# Altium PCB WiPy_Eval.PcbDoc (part 1 of 2)
Units mm, origin at the board's own origin, x right, y up, seen from the top; angles counter-clockwise.
Board outline 75 x 90 mm, 2 copper layers (Top Layer, Bottom Layer), stack 1.621 mm thick; 158 components, 120 nets, 580 pads, 606 vias.
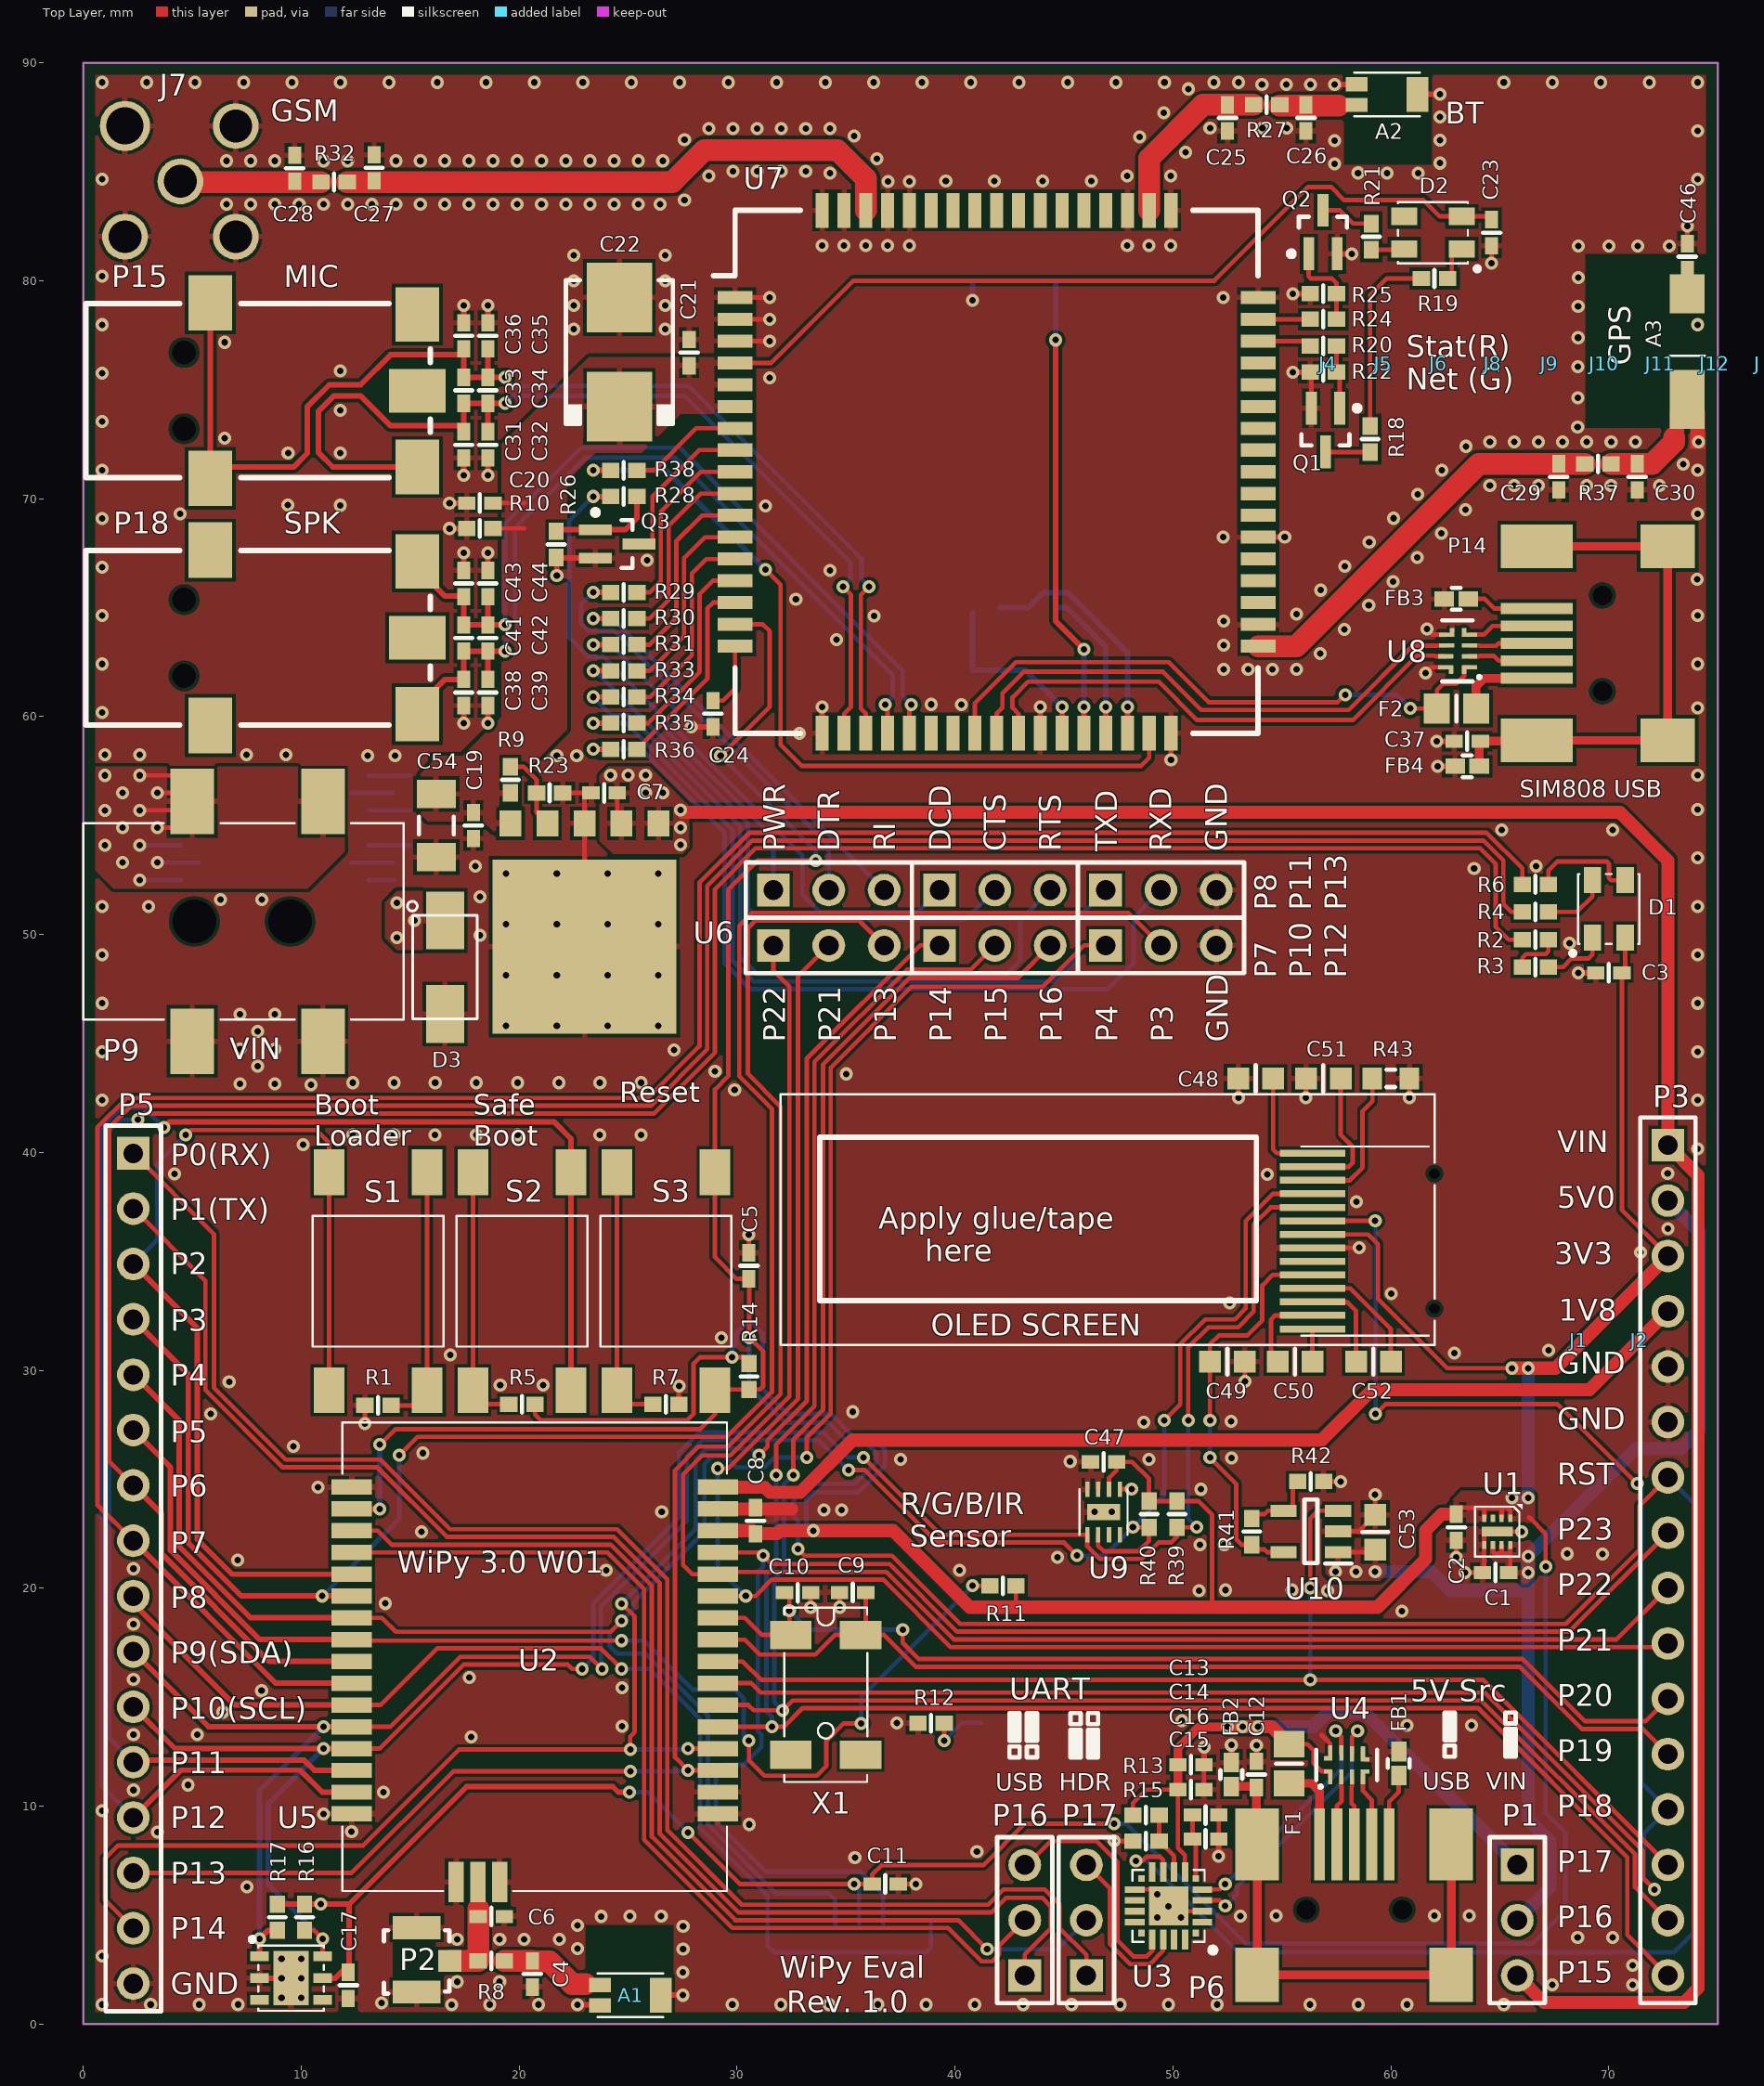
[diagram p0: Top Layer view]
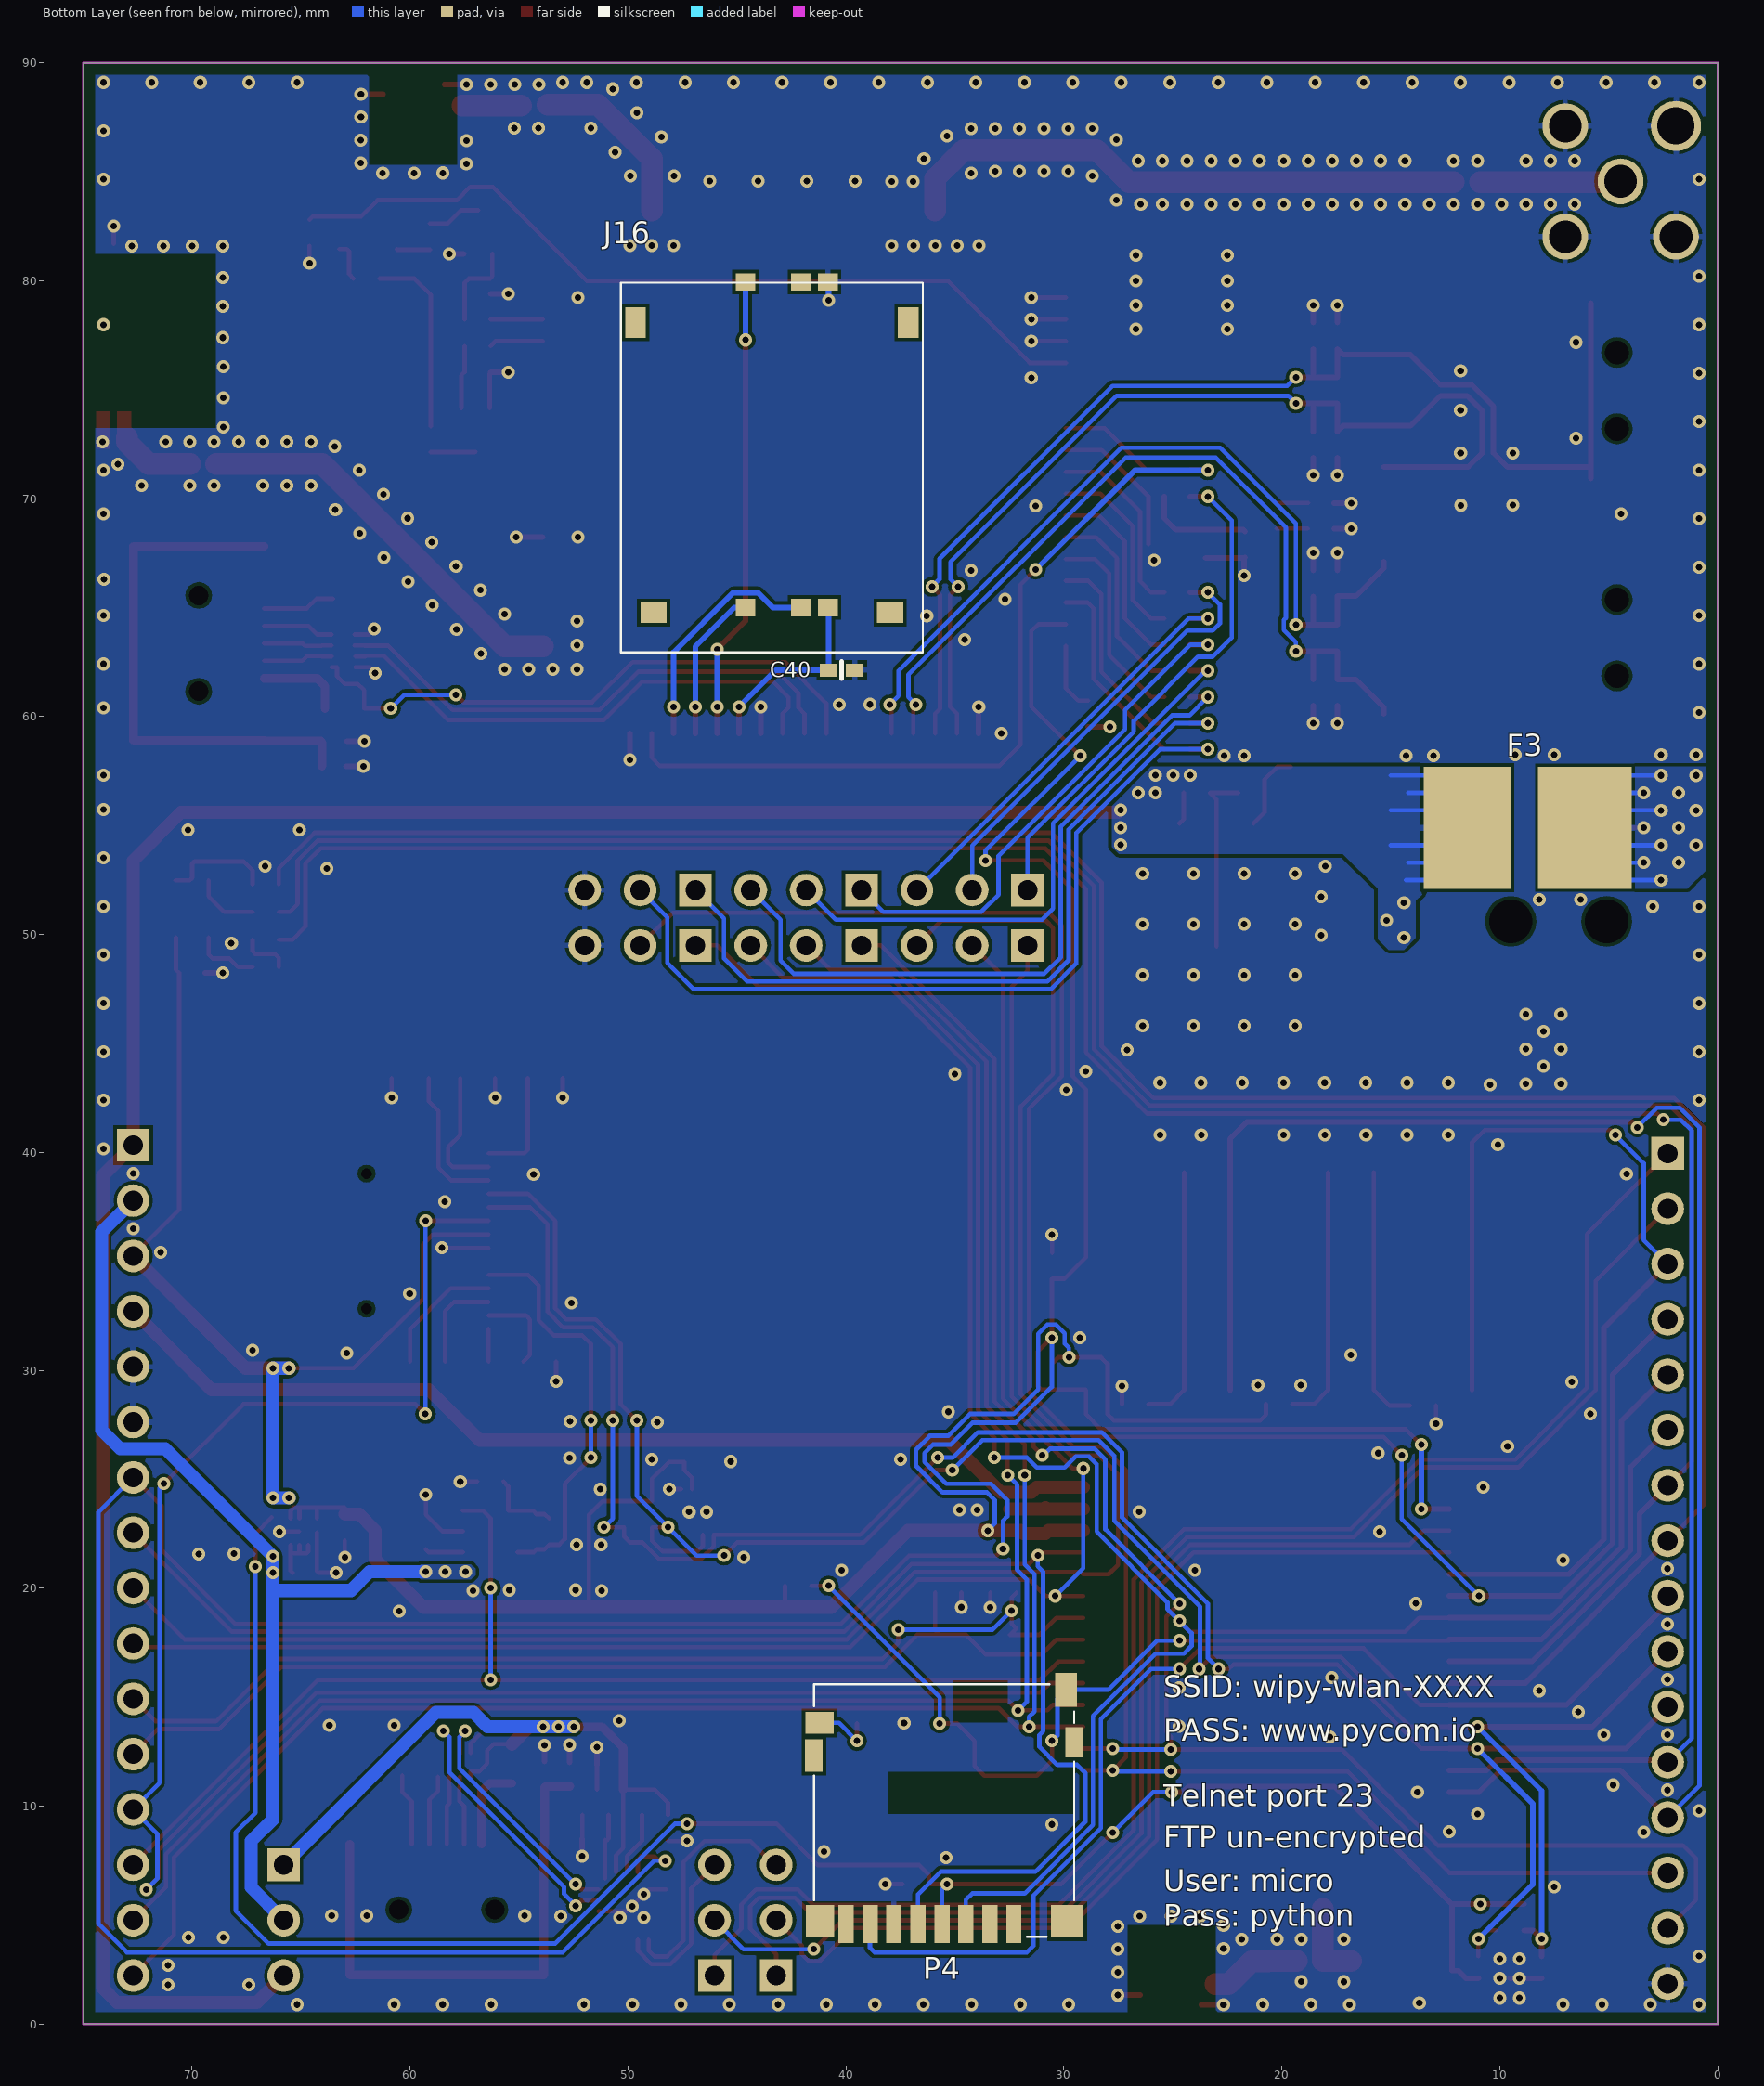
[diagram p1: Bottom Layer view, seen from below]

## Layer stack, top to bottom
Top Solder: solder mask 0.0102, Solder Resist, Dk 3.5
Top Layer: signal copper 0.0356
Dielectric 1: dielectric 1.55, FR-4, Dk 4.8
Bottom Layer: signal copper 0.0356
Bottom Solder: solder mask 0.0102, Solder Resist, Dk 3.5

## Board outline
0,0 0,90 75,90 75,0

## Design rules (kind name [scope] priority, off if disabled: settings)
BoardOutlineClearance [All] p1: gap=0.5 ignorepadtopadclearanceinfootprint=FALSE
Clearance Clearance_Keepout [OnLayer('Keep-Out Layer')] p1: gap=0.5 ignorepadtopadclearanceinfootprint=FALSE
Clearance [All] p2: gap=0.152 ignorepadtopadclearanceinfootprint=FALSE
ComponentClearance ComponentClearance_J3 [InComponent('J3')] p1: gap=0 collisioncheckmode=3 verticalgap=0 showdistances=FALSE
ComponentClearance ComponentClearance_J2 [InComponent('J2')] p2: gap=0 collisioncheckmode=3 verticalgap=0 showdistances=FALSE
ComponentClearance ComponentClearance_J1 [InComponent('J1')] p3: gap=0 collisioncheckmode=3 verticalgap=0 showdistances=FALSE
ComponentClearance [All] p4: gap=0.254 collisioncheckmode=3 verticalgap=0.254 showdistances=FALSE
DiffPairsRouting [All] p1: maxlimit=0.254 minlimit=0.254 mostfreqgap=0.254 toplayer_minwidth=0.2 toplayer_maxwidth=0.5 toplayer_prefwidth=0.254 bottomlayer_minwidth=0.2 bottomlayer_maxwidth=0.5 bottomlayer_prefwidth=0.254 maxuncoupledlength=12.7
HoleSize [All] p1: absolutevalues=TRUE maxlimit=3 minlimit=0.25 maxpercent=80.000 minpercent=20.000
MinimumSolderMaskSliver [All] p1: minsoldermaskwidth=0.2
PlaneConnect [All] p1: pad.planeconnectstyle=Relief pad.reliefexpansion=0.508 pad.reliefentries=4 pad.reliefconductorwidth=0.254 pad.reliefairgap=0.254 via.planeconnectstyle=Direct via.reliefexpansion=0.508 via.reliefentries=4 via.reliefconductorwidth=0.254 via.reliefairgap=0.254
PolygonConnect [All] p1: thpad.connectstyle=Relief thpad.reliefconductorwidth=0.254 thpad.reliefentries=4 thpad.polygonreliefangle="90 Angle" thpad.airgapwidth=0.152 smdpad.connectstyle=Relief smdpad.reliefconductorwidth=0.254 smdpad.reliefentries=4 smdpad.polygonreliefangle="90 Angle" smdpad.airgapwidth=0.152 via.connectstyle=Direct via.reliefconductorwidth=0.254 via.reliefentries=4 via.polygonreliefangle="90 Angle" via.airgapwidth=0.254
RoutingVias [All] p1: holewidth=0.3 width=0.6 viastyle="Through Hole" minholewidth=0.25 minwidth=0.55 maxholewidth=0.7 maxwidth=1
SilkToSilkClearance [All] p1: silktosilkclearance=0.2
SilkToSolderMaskClearance [IsPad] p1: minsilkscreentomaskgap=0.2 clearancetoexposedcopper=TRUE
SolderMaskExpansion [All] p1: expansion=0.102
Width [All] p1: maxlimit=1 minlimit=0.152 preferedwidth=0.4
23 further rules are at their usual default settings.

## Classes and differential pairs
component class USB: C12 C13 C14 C15 F1 FB1 FB2 J2 J3 P6 R13 R14 R15 U3 U4
component class main: A1 C1 C2 C3 C4 C5 C6 C8 C9 C10 C11 C17 C47 D1 J1 P1 P2 P3 P4 P5 R1 R2 R3 R4 R5 R6 R7 R8 R11 R12 R16 R17 S1 S2 S3 U1 U2 U5 U9 X1
component class GSM: C7 C19 C20 C21 C23 C24 C25 C26 C27 C28 C29 C30 C31 C32 C33 C34 C35 C36 C37 C38 C39 C40 C41 C42 C43 C44 C46 C54 D3 F2 FB3 FB4 J4 J5 J6 J7 J8 J9 J10 J11 J12 J13 J16 P9 P10 P11 P12 P13 P14 Q1 Q2 Q3 R9 R10 R18 R19 R20 R21 R22 R23 R24 R25 R26 R27 R28 R29 R30 R31 R32 R33 R34 R35 R36 R37 U6 U7 U8
component class Display: C48 C49 C50 C51 C52 C53 "OLED SCREEN" R39 R40 R41 R42 R43 U10
differential pair USB_SIM: +USB_SIM_P -USB_SIM_N
differential pair USB_SIM2: +USB_SIM2_P -USB_SIM2_N
differential pair USB_EXT: +USB_EXT_P -USB_EXT_N
differential pair USB_D: +USB_D_P -USB_D_N
differential pair SPK: +SPK_P -SPK_N
differential pair MIC: +MIC_P -MIC_N

## Components (designator, comment, footprint, x,y, rotation, side; value= is the part's Value field where it differs from the comment)
A1 "ANT_W3008" W3008 25.107,1.328 r0 top
A2 "ANT_W3008" W3008 59.82,88.54 r0 top
A3 "GPS Antenna" ANT3216_v2 73.6,74.55 r90 top
C1 "Capacitor" CAPC1005N 64.8,20.72 r0 top value=2.2u
C2 "Capacitor" CAPC1005N 63,22.8 r90 top value=2.2u
C3 "100n" CAPC1005N 70,48.24 r0 top
C4 "Capacitor" CAPC1005N 20.61,2.303 r270 top value=DNP
C5 "100p" CAPC1005N 30.546,34.798 r270 top
C6 "Capacitor" CAPC1005N 18.722,4.945 r180 top value=DNP
C7 "Capacitor" CAPC1005N 23.9,56.5 r0 top value=2.2u
C8 "100n" CAPC1005N 30.845,23.1 r270 top
C9 "10p" CAPC1005N 35.306,19.812 r0 top
C10 "10p" CAPC1005N 32.78,19.8 r180 top
C11 "100n" CAPC1005N 36.8,6.431 r180 top
C12 "100n" CAPC1005N 53.83,11.458 r270 top
C13 "Capacitor" CAPC1005N 50.826,11.906 r180 top value=2.2u
C14 "100n" CAPC1005N 50.826,10.763 r180 top
C15 "Capacitor" CAPC1005N 51.5,8.5 r180 top value=2.2u
C16 "100n" CAPC1005N 51.5,9.6 r180 top
C17 "100n" CAPC1005N 12.16,1.78 r90 top
C19 "100n" CAPC1005N 17.9,55 r90 top
C20 "Capacitor" CAPC1005N 18.2,69.8 r0 top value=2.2u
C21 "100n" CAPC1005N 27.8,76.7 r270 top
C22 "Low ESR" CAP_TANT 24.6,73.43 r0 top value=330uF
C23 "100n" CAPC1005N 64.62,82.2 r90 top
C24 "Capacitor" CAPC1005N 28.891,60.132 r90 top value=2.2u
C25 "DNP" CAPC1005N 52.5,87.47 r90 top
C26 "DNP" CAPC1005N 56.1,87.47 r90 top
C27 "DNP" CAPC1005N 13.35,85.18 r270 top
C28 "DNP" CAPC1005N 9.7,85.16 r270 top
C29 "DNP" CAPC1005N 67.7,71 r90 top
C30 "DNP" CAPC1005N 71.3,71 r90 top
C31 "10p" CAPC1005N 17.46,72.47 r270 top
C32 "33p" CAPC1005N 18.56,72.47 r270 top
C33 "10p" CAPC1005N 18.56,74.97 r270 top
C34 "33p" CAPC1005N 17.46,74.97 r270 top
C35 "10p" CAPC1005N 18.56,77.47 r270 top
C36 "33p" CAPC1005N 17.46,77.47 r270 top
C37 "100n" CAPC1005N 63.5,58.87 r0 top
C38 "10p" CAPC1005N 17.46,61.105 r270 top
C39 "33p" CAPC1005N 18.56,61.105 r270 top
C40 "100n" CAPC1005N 40.2,62.13 r0 bottom
C41 "10p" CAPC1005N 17.46,63.605 r270 top
C42 "33p" CAPC1005N 18.56,63.605 r270 top
C43 "10p" CAPC1005N 17.46,66.105 r270 top
C44 "33p" CAPC1005N 18.56,66.105 r270 top
C46 "DNP" CAPC1005N 73.6,81.1 r270 top
C47 "100n" CAPC1005N 46.82,25.8 r0 top
C48 "Capacitor" CAPC1608N 53.8,43.4 r0 top value=1u
C49 "Capacitor" CAPC1608N 52.5,30.4 r180 top value=1u
C50 "Capacitor" CAPC1608N 55.6,30.4 r0 top value=1u
C51 "Capacitor" CAPC1608N 56.9,43.4 r0 top value=1u
C52 "Capacitor" CAPC1608N 59.2,30.4 r180 top value=1u
C53 "Capacitor" CAPC1608N 59.28,22.58 r270 top value=1u
C54 "47u" CAPC3216N 16.2,55 r90 top
D1 "RGB LED" PLCC-4 69.996,51.171 r0 top
D2 "RGB LED" PLCC-4 61.93,82.2 r90 top
D3 "SS14" DO214 16.6,48.5 r90 top
F1 "PTC Fuse" RESC2012N 55.33,11.948 r270 top
F2 "PTC Fuse" RESC2012N 63.01,60.37 r0 top
F3 "Fuse" 2920 8.8,54.9 r0 bottom
FB1 "120@100MHz" INDC1005N 60.36,11.958 r90 top
FB2 "120@100MHz" INDC1005N 52.68,11.458 r90 top
FB3 "120@100MHz" INDC1005N 63,65.4 r180 top
FB4 "120@100MHz" INDC1005N 63.5,57.72 r180 top
J1 "Jumper" JUMPER-B 68.6,31.37 r270 top
J2 "Jumper" JUMPER-B 71.4,31.37 r90 top
J3 "Jumper" JUMPER-B 91.2,31.37 r90 top
J4 "Jumper" JUMPER-B 57.11,76.2 r90 top
J5 "Jumper" JUMPER-B 59.64,76.2 r90 top
J6 "Jumper" JUMPER-B 62.18,76.2 r90 top
J7 "GSM Antenna" "5.08 SMA" 4.46,84.56 r90 top
J8 "Jumper" JUMPER-B 64.68,76.2 r90 top
J9 "Jumper" JUMPER-B 67.26,76.2 r90 top
J10 "Jumper" JUMPER-B 69.79,76.2 r90 top
J11 "Jumper" JUMPER-B 72.36,76.2 r90 top
J12 "Jumper" JUMPER-B 74.86,76.2 r90 top
J13 "Jumper" JUMPER-B 77.36,76.2 r90 top
J16 "micro-SIM Tray" 78000-0001 43.4,71.43 r90 bottom
"OLED SCREEN" "OLED" REX012832FSPP3N00000 56.4,31.9 r0 top (schematic designator SCR1)
P1 "Header 1x3" "Header 1x3, Male, 2.54mm, Straight, THT" 65.8,4.77 r270 top
P2 "U.FL-R-SMT-1(10)" U.FL-R-SMT-1(10) 15.297,2.903 r90 top
P3 "Header 16" HDR1X16 72.71,40.33 r270 top
P4 "micro SD" 1140084168 35.5,13.825 r180 bottom locked
P5 "Header 16" HDR1X16 2.3,39.96 r270 top
P6 "USB_mini" MUSB-B5-S-RA-TSMT-CS1 58.32,0.008 r90 top
P7 "Header 1x3" "Header 1x3, Male, 2.54mm, Straight, THT" 34.21,49.5 r0 top
P8 "Header 1x3" "Header 1x3, Male, 2.54mm, Straight, THT" 34.21,52.04 r0 top
P9 "FC68148S" FC68148S 0,50.6 r270 top
P10 "Header 1x3" "Header 1x3, Male, 2.54mm, Straight, THT" 41.83,49.5 r0 top
P11 "Header 1x3" "Header 1x3, Male, 2.54mm, Straight, THT" 41.83,52.04 r0 top
P12 "Header 1x3" "Header 1x3, Male, 2.54mm, Straight, THT" 49.45,49.5 r0 top
P13 "Header 1x3" "Header 1x3, Male, 2.54mm, Straight, THT" 49.45,52.04 r0 top
P14 "USB_mini" MUSB-B5-S-RA-TSMT-CS1 74.95,63.36 r180 top
P15 "Microphone" JACK 0.13,74.955 r270 top
P16 "Header 1x3" "Header 1x3, Male, 2.54mm, Straight, THT" 43.2,4.77 r90 top (schematic designator P7)
P17 "Header 1x3" "Header 1x3, Male, 2.54mm, Straight, THT" 46.03,4.77 r90 top (schematic designator P8)
P18 "Speaker" JACK 0.13,63.615 r270 top
Q1 "BC847" SOT323-3AM 57,73.15 r270 top
Q2 "BC847" SOT323-3AM 56.88,82.237 r90 top
Q3 "BC847" SOT323-3AM 24.5,67.92 r0 top
R1 "Resistor" RESC1005N 13.528,28.392 r180 top value=1k
R2 "Resistor" RESC1005N 66.629,49.764 r180 top value=150
R3 "Resistor" RESC1005N 66.629,48.5 r180 top value=150
R4 "Resistor" RESC1005N 66.629,51.034 r180 top value=150
R5 "Resistor" RESC1005N 20.132,28.448 r0 top value=1k
R6 "Resistor" RESC1005N 66.629,52.304 r180 top value=150
R7 "Resistor" RESC1005N 26.736,28.448 r0 top value=1k
R8 "Resistor" RESC1005N 18.722,2.903 r180 top value=0
R9 "Resistor" RESC1005N 19.6,57.1 r90 top value=100k
R10 "Resistor" RESC1005N 18.2,68.63 r180 top value=470
R11 "Resistor" RESC1005N 42.2,20.116 r0 top value=22k
R12 "Resistor" RESC1005N 38.9,13.8 r180 top value=1k
R13 "Resistor" RESC1005N 48.763,9.598 r180 top value=22k
R14 "Resistor" RESC1005N 30.546,29.718 r90 top value=22k
R15 "Resistor" RESC1005N 48.763,8.398 r0 top value=47k
R16 "Resistor" RESC1005N 10.156,4.904 r270 top value=1k
R17 "Resistor" RESC1005N 8.901,4.904 r270 top value=1k
R18 "Resistor" RESC1005N 59.05,72.73 r270 top value=150
R19 "Resistor" RESC1005N 62,80.1 r180 top value=150
R20 "Resistor" RESC1005N 56.9,77 r180 top value=1k
R21 "Resistor" RESC1005N 59.1,82.02 r90 top value=150
R22 "Resistor" RESC1005N 56.9,75.8 r0 top value=22k
R23 "Resistor" RESC1005N 21.4,56.5 r0 top value=43k
R24 "Resistor" RESC1005N 56.9,78.23 r180 top value=1k
R25 "Resistor" RESC1005N 56.9,79.4 r0 top value=22k
R26 "Resistor" RESC1005N 21.7,67.9 r270 top value=22k
R27 "Resistor" RESC1005N 54.3,88.07 r180 top value=0
R28 "Resistor" RESC1005N 24.8,70.1 r180 top value=1k
R29 "Resistor" RESC1005N 24.8,65.7 r180 top value=1k
R30 "Resistor" RESC1005N 24.8,64.5 r180 top value=1k
R31 "Resistor" RESC1005N 24.8,63.3 r180 top value=1k
R32 "Resistor" RESC1005N 11.51,84.53 r0 top value=0
R33 "Resistor" RESC1005N 24.8,62.1 r180 top value=1k
R34 "Resistor" RESC1005N 24.8,60.9 r180 top value=1k
R35 "Resistor" RESC1005N 24.8,59.7 r180 top value=1k
R36 "Resistor" RESC1005N 24.8,58.5 r180 top value=1k
R37 "Resistor" RESC1005N 69.5,71.6 r180 top value=0
R38 "Resistor" RESC1005N 24.8,71.3 r180 top value=1k
R39 "Resistor" RESC1005N 50.18,23.4 r270 top value=1k
R40 "Resistor" RESC1005N 48.9,23.4 r270 top value=1k
R41 "Resistor" RESC1005N 53.62,22.6 r90 top value=390k
R42 "Resistor" RESC1005N 56.32,24.9 r0 top value=100k
R43 "Resistor" RESC1608N 60,43.4 r0 top value=390k
S1 "tact switch" 1301.9319 13.528,34.092 r270 top
S2 "tact switch" 1301.9319 20.132,34.092 r90 top
S3 "tact switch" 1301.9319 26.736,34.092 r90 top
U1 "NCP186AMX330TAG" XDFN8 64.88,22.6 r180 top value=3.3V
U2 "WiPy W01" WiPy_W01 20.715,16.855 r270 top
U3 "CP2102N" QFN-20 49.8,5.431 r180 top
U4 "ECMF02-4CMX8" uQFN-8 57.97,11.898 r90 top
U5 "SI7006-A20-IM" DFN6 9.536,2.11 r0 top
U6 "Reg Lin Regulator" S-PAK-5 26.4,55.1 r180 top